# KiCad board Womo.kicad_pcb (continued)
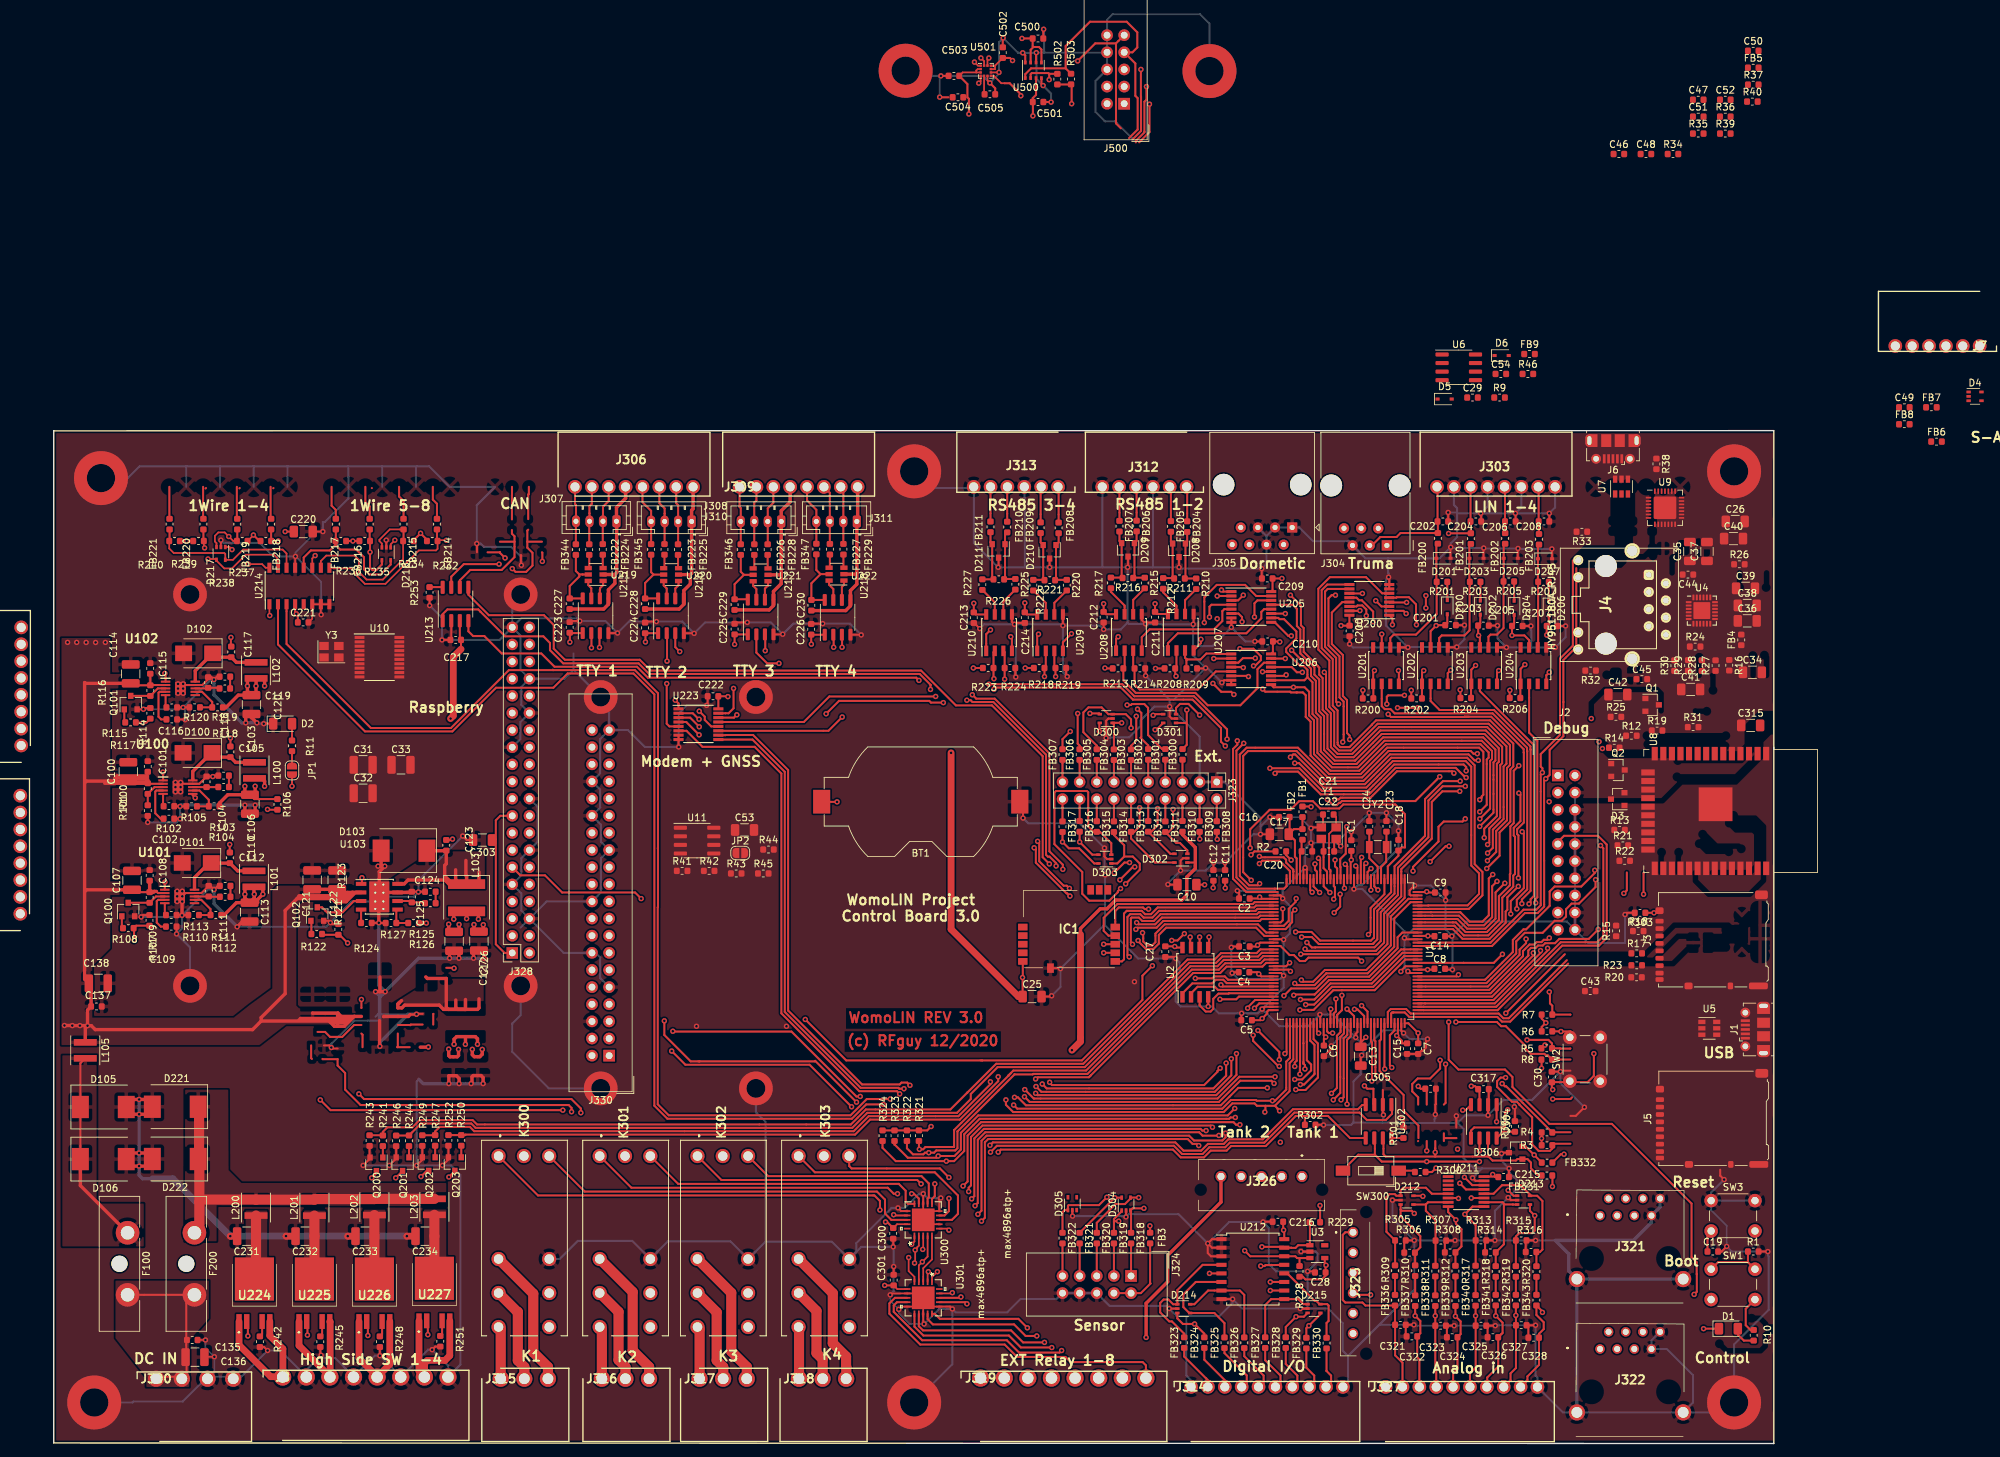
[diagram p0: board, top side]
## Routing (per net, layer and track width the routed paths; a pad name or vN(x,y) marks a point on that pad's centre or on a via; arc(x,y) is an arc through that point) (continued)
IO_INT: length 116.6
  Top w0.3: v3(178.86,26.3) 179.42,26.3 179.56,26.44 180.53,26.44 ; v3(165.67,74.55) 166.53,74.55 v3(167.54,75.57) ; 180.53,26.44 U212.13 ; 180.53,26.44 180.41,26.48 ; v3(184.79,72.52) 196.13,72.52 197.64,74.03 197.64,78.33 200.18,80.88 200.18,83.68
  In1.Cu w0.3: v3(165.67,74.55) 165.15,74.04 165.15,69.09 171.12,63.12 171.12,56.45 170.74,56.07 170.74,48.17 168.73,46.16 168.73,45.57 165.51,42.35 165.51,28.14 167.35,26.3 v3(178.86,26.3) ; v3(184.79,72.52) 184.16,73.14 181.98,73.14 181.48,72.64 181.48,72.52 181.1,72.14 172.98,72.14 172.09,73.03 172.09,75.28 171.55,75.82 167.79,75.82 v3(167.54,75.57)
JTAG_RES: length 40.2
  Top w0.3: 207.54,76.73 207.57,76.73 ; 207.54,76.73 202.13,76.73 ; 207.54,76.73 208.96,75.3 212.57,75.3 214.65,77.38 214.65,80.9 216.28,82.53 216.28,84.16 216.54,84.42 216.54,89.79 216.54,89.8 216.54,89.91 216.35,90.11 216.35,91.25 217.35,92.25 217.35,96.14 v3(217.1,96.39)
  In1.Cu w0.3: v3(217.1,96.39) 222.81,96.39 J2.3
JTAG_TCK: length 54.7
  Top w0.3: 202.13,64.23 202.94,64.23 202.95,64.22 213.95,64.22 223.52,73.79 228.98,73.79 230.12,74.93 230.12,88.77 228.84,90.06 223.79,90.06 222.89,89.15 J2.9
JTAG_TDI: length 58.2
  Top w0.3: 202.13,64.73 203,64.73 203.01,64.73 213.75,64.73 223.31,74.29 228.72,74.29 229.62,75.19 229.62,88.21 v3(229.21,88.62)
  In1.Cu w0.3: v3(229.21,88.62) 229.21,94.13 228.22,95.12 226.03,95.12 226.01,95.14 224.1,95.14 J2.5
JTAG_TDO: length 27.1
  Top w0.3: 202.13,76.23 207.33,76.23 208.76,74.8 212.78,74.8 215.15,77.17 215.15,78.85 215.4,79.1 215.4,80.94 v3(217.03,82.57)
  In1.Cu w0.3: v3(217.03,82.57) 218.23,83.77 J2.13
JTAG_TMS: length 65.2
  Top w0.3: v3(217.6,90.68) 217.85,90.43 217.85,82.33 215.9,80.38 v3(215.9,78.49) ; v3(198.28,55.72) 197.99,56 197.99,60.52 198.68,61.21 198.68,62.28
  In1.Cu w0.3: J2.7 218.31,91.39 v3(217.6,90.68) ; v3(215.9,78.49) 215.42,78.01 215.42,65.15 214.42,64.15 214.42,56.05 213.84,55.47 199.09,55.47 198.84,55.72 v3(198.28,55.72)
K1_COM: length 14.3
  Top w1.5: K300.11 68.73,19.49 68.77,19.49 68.77,12.31 69.74,11.34 69.74,9.64
K1_NC: length 20.7
  Top w1.5: K300.12 71.06,22.2 71.06,13.52 73.24,11.34 73.24,9.64
K1_NO: length 7.8
  Top w1.5: 66.24,9.64 66.24,16.95 K300.14
K1_RESET: length 65
  Top w0.3: K300.A1 71.76,36.77 121.6,36.77 122.43,35.94 v3(122.43,34.61) ; U300.17 124.57,33.8 v3(124.46,33.91)
  In1.Cu w0.3: v3(122.43,34.61) 123.76,34.61 v3(124.46,33.91)
K1_SET: length 58.2
  Top w0.3: U300.18 124.11,33.15 123.18,34.08 123.18,36.14 121.98,37.34 78.68,37.34 K300.A2
K1_STATUS: length 134
  Top w0.3: 141.46,54.5 141.87,54.91 ; 141.46,54.5 133.42,46.46 133.42,43.97 133.39,43.94 130.9,43.94 130.9,43.93 129.17,43.93 128.84,43.6 v3(128.27,43.6) 128.21,43.67 R321.1 ; 141.46,54.5 141.46,54.54 142.2,55.28 152.98,55.28 168.43,70.73 172.44,70.73 173.39,71.68 178.66,71.68 179.22,72.23 180.73,72.23
  In1.Cu w0.3: K300.21 74.9,22.3 77.28,24.68 77.28,29.21 78.11,30.04 91.75,30.04 93.08,31.37 107.05,31.37 109.77,34.08 117.05,34.08 126.57,43.6 v3(128.27,43.6)
K2_COM: length 14.2
  Top w1.5: K301.11 83.69,19.51 83.69,12.37 84.72,11.34 84.72,9.64
K2_NC: length 20.7
  Top w1.5: K301.12 85.79,22.46 85.79,13.77 88.22,11.34 88.22,9.64
K2_NO: length 7.8
  Top w1.5: K301.14 81.22,16.95 81.22,9.64
K2_RESET: length 50.7
  Top w0.3: v3(127.13,37.02) 127.48,37.02 128.19,36.3 U300.14 ; v3(125.03,37.02) 124.47,37.02 123.58,37.91 85.6,37.91 K301.A1
  In1.Cu w0.3: v3(127.13,37.02) v3(125.03,37.02)
K2_SET: length 43
  Top w0.3: K301.A2 92.53,38.48 125.22,38.48 126.24,37.47 126.24,35.88 126.59,35.52 U300.15
K2_STATUS: length 121.2
  Top w0.3: 142.37,54.7 142.37,54.74 ; 142.37,54.7 133.92,46.25 133.92,43.76 133.59,43.43 130.78,43.43 130.45,43.1 v3(129.67,43.1) 129.1,43.1 128.85,42.85 127.33,42.85 126.43,43.75 R322.1 ; 142.37,54.7 145.06,54.7 145.14,54.78 153.19,54.78 168.64,70.23 172.65,70.23 173.59,71.18 178.87,71.18 179.43,71.73 180.73,71.73
  In1.Cu w0.3: v3(129.67,43.1) 129.42,42.85 126.53,42.85 117.26,33.58 109.98,33.58 107.25,30.86 93.28,30.86 92.14,29.72 92.14,26.04 K301.21
K3_COM: length 14.2
  Top w1.5: K302.11 98.24,19.46 98.24,12.31 99.21,11.34 99.21,9.64
K3_NC: length 20.7
  Top w1.5: 102.71,9.64 102.71,11.34 100.4,13.65 100.4,22.34 K302.12
K3_NO: length 7.8
  Top w1.5: 95.71,9.64 95.71,16.95 K302.14
K3_RESET: length 40
  Top w0.3: v3(128.52,38.48) 127.95,39.05 98.94,39.05 K302.A1 ; v3(130.56,38.48) 130.56,36.66 130.14,36.25 U300.11
  In1.Cu w0.3: v3(128.52,38.48) v3(130.56,38.48)
K3_SET: length 31.6
  Top w0.3: K302.A2 105.87,39.62 128.59,39.62 129.67,38.54 129.67,36.48 129.49,36.3 U300.12
K3_STATUS: length 122.1
  Top w0.3: v3(175.01,49.66) 173.98,48.63 137,48.63 134.42,46.04 134.42,43.56 133.47,42.61 v3(131.06,42.61) 130.81,42.35 126.56,42.35 124.65,44.26 124.62,44.26 124.59,44.29 R323.1 ; 189.68,62.28 189.68,63.73 189.99,64.04 v3(189.99,65.89)
  In1.Cu w0.3: v3(131.06,42.61) 130.81,42.35 126.74,42.35 117.47,33.08 110.24,33.08 106.36,29.21 106.36,25.78 K302.21 ; v3(189.99,65.89) 188.12,65.89 184.67,62.44 184.67,61.84 175.65,52.82 175.65,50.3 v3(175.01,49.66)
K4_COM: length 14.1
  Top w1.5: 113.94,9.64 113.94,12.49 113.03,13.4 113.03,19.65 K303.11
K4_NC: length 20.6
  Top w1.5: K303.12 115.44,22.28 115.44,14.86 117.41,12.89 117.41,11.37 117.44,11.34 117.44,9.64
K4_NO: length 7.6
  Top w1.5: 110.44,9.64 110.44,17.2 K303.14
K4_RESET: length 31.9
  Top w0.3: K303.A1 112.78,40.2 130.56,40.2 133.99,36.77 133.99,34.04 133.1,33.15 U300.8
K4_SET: length 23.6
  Top w0.3: v3(132.65,36.32) 132.65,34.45 132,33.8 U300.9 ; v3(132.65,39.43) 131.32,40.77 118.23,40.77 117.88,41.12 K303.A2
  In1.Cu w0.3: v3(132.65,39.43) v3(132.65,36.32)
K4_STATUS: length 118.8
  Top w0.3: 190.18,62.28 190.18,63.52 190.88,64.22 v3(190.88,66.42) ; R324.1 122.81,43.81 124.78,41.85 v3(132.27,41.85) 133.41,41.85 134.92,43.35 134.92,45.84 137.21,48.13 174.18,48.13 174.38,48.32 v3(175.1,48.32)
  In1.Cu w0.3: v3(190.88,66.42) 190.66,66.64 188.16,66.64 184.17,62.65 184.17,62.04 175.15,53.03 175.15,50.93 173.99,49.77 173.99,49.43 v3(175.1,48.32) ; K303.21 119.28,23.7 119.28,23.71 120.65,25.08 120.65,35.56 126.94,41.85 v3(132.27,41.85)
LIN1: length 17.4
  Top w0.3: 195.2,132.97 196.58,134.35 198.98,134.35 199.57,134.94 FB200.1 205.11,136.6 205.06,136.65 205.06,141.53 204.98,141.6
LIN2: length 37.6
  Top w0.3: v3(206.69,134.87) 206.72,134.9 FB201.1 210,136.6 C204.1 209.94,141.57 209.98,141.6
  In1.Cu w0.3: 182.25,133.22 185.17,133.22 189.74,137.79 203.77,137.79 v3(206.69,134.87)
LIN3: length 6.7
  Top w0.3: 214.98,141.6 215.05,141.53 C206.1 215.08,136.63 FB202.1
LIN4: length 6.9
  Top w0.3: FB203.1 220.09,136.6 C208.1 220.04,141.54 219.98,141.6
LIN_SEL_A0: length 97.1
  Top w0.3: v3(190.39,109.6) 190.05,109.95 190.03,109.95 190.03,116.44 188.39,118.08 188.39,126.27 188.78,126.66 U200.10 ; v3(197.74,108.08) 198.14,107.68 209.02,107.68 209.06,107.71 ; 209.06,107.71 213.01,107.71 217.82,102.9 217.82,102.4 217.85,102.38 217.85,92.04 216.85,91.04 216.85,90.32 217.04,90.12 v3(217.04,83.82) ; 209.06,107.71 209.7,107.71 ; 208.9,71.23 208.92,71.25 ; 208.9,71.23 202.13,71.23 ; 208.9,71.23 213.39,71.23 v3(214.67,72.52)
  In1.Cu w0.3: v3(214.67,72.52) 214.67,78.78 216.15,80.26 216.15,82.93 v3(217.04,83.82) ; v3(197.74,108.08) 195.18,108.08 194.04,109.21 190.78,109.21 v3(190.39,109.6)
LIN_SEL_A1: length 142
  Top w0.3: 184.68,62.28 184.68,56.69 184.68,55.89 184.66,55.87 v3(184.66,54.74) ; U200.9 188.72,127.31 187.89,126.48 187.89,117.87 189.53,116.23 189.53,109.36 190.25,108.64 190.25,103.89 190.26,103.87 190.26,103.6 190.65,103.21 192.01,103.21 195.33,106.53 195.33,106.55 195.95,107.18 212.83,107.18 216.28,103.73 216.28,100.35 215.85,99.91 215.85,92.16 214.25,90.56 214.25,87.12 v3(212.35,85.22)
  In1.Cu w0.3: v3(184.66,54.74) 194.95,54.74 196.68,56.47 198.64,56.47 198.67,56.44 203.96,56.44 205.23,57.7 212.01,57.7 212.92,58.62 212.92,82.68 212.35,83.26 v3(212.35,85.22)
LIN_SEL_EN: length 148.1
  Top w0.3: 185.18,62.28 185.18,59.31 185.18,56.3 185.41,56.07 v3(185.41,55.51) ; v3(212.45,86.38) 213.75,87.68 213.75,90.77 215.35,92.37 215.35,100.12 215.78,100.56 215.78,103.52 212.63,106.68 196.18,106.68 192.22,102.71 190.44,102.71 189.75,103.41 189.75,108.43 189.03,109.15 189.03,116.03 187.39,117.67 187.39,126.68 189.1,128.4 194.46,128.4 196.85,126.01 U200.6
  In1.Cu w0.3: v3(212.45,86.38) 211.88,86.38 211.59,86.09 211.59,83.3 212.42,82.47 212.42,59.13 211.49,58.2 205.02,58.2 203.79,56.97 196.47,56.97 194.74,55.24 185.68,55.24 v3(185.41,55.51)
LPUART_RTS_DE_RS485: length 134.1
  Top w0.3: U206.3 175.54,115.72 176.21,116.4 v3(178.06,116.4) ; v3(183.44,117.57) 185.29,115.71 185.44,115.71 186.31,114.84 186.31,113.74 187.03,113.03 187.03,108.32 187.75,107.6 187.75,102.58 189.61,100.71 193.05,100.71 196.99,104.66 211.82,104.66 213.63,102.84 213.63,101.23 213.35,100.95 213.35,93.49 v3(211.3,91.45) ; 182.68,62.28 182.68,58.03 v3(182.43,57.78)
  In1.Cu w0.3: v3(178.06,116.4) 178.45,116.8 181.63,116.8 182.4,117.57 v3(183.44,117.57) ; v3(211.3,91.45) 211.3,90.23 211.2,90.13 211.2,89.59 209.59,87.99 209.59,82.47 210.42,81.64 210.42,61.2 209.43,60.2 205.36,60.2 204.87,60.69 203.15,60.69 201.43,58.97 195.64,58.97 194.95,58.28 193.44,58.28 192.4,57.24 186.91,57.24 186.38,57.76 183.03,57.76 183.01,57.78 v3(182.43,57.78)
LPUART_RX_RS485: length 143.8
  Top w0.3: v3(181.61,56.9) 181.61,58.04 v3(178.44,61.21) ; v3(177.93,64.52) 178.64,65.23 180.73,65.23 ; U205.13 183.6,124.31 184.21,123.7 184.21,121.16 184.72,120.65 184.72,117.09 185.61,116.21 185.64,116.21 186.81,115.04 186.81,113.95 187.53,113.23 187.53,108.53 188.25,107.81 188.25,102.79 189.82,101.21 192.84,101.21 196.78,105.16 212.03,105.16 214.13,103.05 214.13,101.03 213.85,100.74 213.85,92.99 211.98,91.12 v3(211.98,89.79)
  In1.Cu w0.3: v3(178.44,61.21) 177.93,61.72 v3(177.93,64.52) ; v3(181.61,56.9) 182.66,56.9 183.02,57.26 186.18,57.26 186.7,56.74 194.12,56.74 195.85,58.47 203.16,58.47 204.4,59.7 210.13,59.7 210.92,60.5 210.92,81.85 210.09,82.68 210.09,87.78 211.98,89.66 v3(211.98,89.79)
LPUART_TX_RS485: length 155.4
  Top w0.3: v3(212.47,88.77) 212.73,89.03 212.73,91.16 214.35,92.78 214.35,100.54 214.63,100.82 214.63,103.26 212.21,105.68 196.6,105.68 192.63,101.71 190.03,101.71 188.75,102.99 188.75,108.02 188.03,108.74 188.03,113.44 187.53,113.94 187.53,114.99 187.33,115.19 187.33,115.23 185.26,117.3 185.22,117.3 185.22,120.86 184.81,121.26 184.81,124.18 v3(183.26,125.73) ; v3(177.73,60.51) 177.73,59.67 181.5,55.9 v3(181.61,55.9) ; U205.3 175.51,124.96 v3(176.28,125.73) ; v3(176.91,64.52) 176.91,64.61 178.03,65.73 180.73,65.73
  In1.Cu w0.3: v3(177.73,60.51) 176.91,61.32 v3(176.91,64.52) ; v3(212.47,88.77) 212.07,88.37 211.82,88.37 210.59,87.15 210.59,82.89 211.42,82.06 211.42,60.29 210.34,59.2 204.61,59.2 203.37,57.97 196.06,57.97 194.32,56.24 186.49,56.24 185.97,56.76 183.64,56.76 182.77,55.9 v3(181.61,55.9) ; v3(176.28,125.73) v3(183.26,125.73)
P0: length 20
  Top w0.3: FB323.2 167.51,16.27 165.69,18.1 165.29,18.1 163.96,19.43 163.96,20.83 164.47,21.34 165.17,21.34 165.87,20.64 D214.1 166.5,22.73 170.24,26.48 U212.4
P1: length 16.5
  Top w0.3: U212.5 v3(171.26,25.21) ; D214.3 166.5,18.54 167.32,17.72 v3(169.06,17.72) 170.5,16.27 FB324.2
  In1.Cu w0.3: v3(169.06,17.72) 169.06,17.73 171.26,19.94 v3(171.26,25.21)
P2: length 17.5
  Top w0.3: FB325.2 173.48,17.84 171.99,19.34 D214.4 168.27,19.34 167.39,20.22 167.39,22.1 169.23,23.94 U212.6
P3: length 15.4
  Top w0.3: FB326.2 176.42,22.02 175.77,22.67 U212.7 171.06,22.67 169.02,20.64 D214.5
P4: length 11.7
  Top w0.3: FB327.2 179.52,20.51 180.4,21.4 U212.9 184.43,21.4 185.18,20.65 D215.1
P5: length 13.1
  Top w0.3: v3(180.28,22.67) U212.10 ; D215.3 185.25,18.8 v3(184.09,18.8) 182.56,17.27 FB328.2
  In1.Cu w0.3: v3(184.09,18.8) 180.28,22.61 v3(180.28,22.67)
P6: length 18.6
  Top w0.3: v3(180.28,23.94) U212.11 ; D215.4 187.7,19.17 v3(185.99,17.46) 185.61,17.08 FB329.2
  In1.Cu w0.3: v3(180.28,23.94) 179.2,23.94 178.94,23.69 178.94,22.16 183.64,17.46 v3(185.99,17.46)
P7: length 13.5
  Top w0.3: U212.12 182.79,25.21 186.85,21.15 187.08,21.15 187.58,20.65 D215.5 188.71,20.65 188.91,20.45 188.91,18.16 188.61,17.86 FB330.2
PF0: length 63.8
  Top w0.3: 195.68,83.68 195.68,82.57 v3(196.22,82.04) ; v3(167.89,108.71) 167.89,106.68 ; 167.89,106.68 167.89,103.56 FB300.2 ; 167.89,106.68 167.78,106.79 D301.1
  In1.Cu w0.3: v3(167.89,108.71) 193.84,108.71 196.72,105.83 196.72,100.2 ; v3(196.22,82.04) 196.74,82.56 196.74,95.9 196.72,95.91 196.72,100.2 ; 196.72,100.2 196.72,100.46
PF1: length 81.3
  Top w0.3: FB301.2 164.25,102.92 162.16,105 162.16,109.03 161.61,109.59 159.76,109.59 159.62,109.45 v3(159.05,109.45) ; v3(169.8,107.96) 168.15,109.61 166.89,109.61 166.31,109.03 D301.3 ; v3(195.18,82.02) 195.18,82.03 195.18,83.68
  In1.Cu w0.3: 196.22,99.96 196.22,83.63 195.18,82.59 v3(195.18,82.02) ; 196.22,99.96 196.22,100.25 ; 196.22,99.96 196.22,105.62 193.63,108.21 170.05,108.21 v3(169.8,107.96) 165.5,107.96 163.88,109.59 159.76,109.59 159.62,109.45 v3(159.05,109.45)
PF2: length 67.3
  Top w0.3: v3(195.2,85.22) 194.68,84.7 194.68,83.68 ; v3(160.6,108.84) 161.16,108.28 161.16,104.71 161.05,104.59 162.18,103.46 FB302.2 ; 164.4,108.09 163.08,108.09 v3(162.91,107.92)
  In1.Cu w0.3: v3(160.6,108.84) 162,108.84 v3(162.91,107.92) 163.62,107.21 171.09,107.21 171.59,107.71 193.41,107.71 195.58,105.54 195.6,105.54 195.72,105.41 195.72,85.74 v3(195.2,85.22)
PF3: length 66.7
  Top w0.3: 164.4,106.79 163.4,105.79 v3(163.2,105.79) ; v3(160.41,107.78) 160.41,104.18 159.64,103.41 FB303.2 ; v3(194.44,85.98) 194.18,85.72 194.18,83.68
  In1.Cu w0.3: v3(160.41,107.78) 160.81,107.38 161.6,107.38 v3(163.2,105.79) 164.12,106.71 171.3,106.71 171.8,107.21 193.14,107.21 195.22,105.13 195.22,95.15 194.2,94.12 194.2,92.83 195.2,91.82 195.2,88.54 195.22,88.52 195.22,86.76 v3(194.44,85.98)
PF4: length 66.5
  Top w0.3: FB304.2 157.1,106.6 D300.1 156.92,106.81 v3(158.24,106.81) ; 193.68,83.68 193.68,86.75 v3(193.8,86.87)
  In1.Cu w0.3: v3(158.24,106.81) 160.91,106.81 162.68,105.04 163.56,105.04 164.73,106.21 171.51,106.21 172.01,106.71 192.88,106.71 194.72,104.87 194.72,95.35 193.7,94.33 193.7,92.62 194.7,91.61 194.7,87.76 v3(193.8,86.87)
PF5: length 74.9
  Top w0.3: v3(159.64,106.06) 159.64,107.31 158.86,108.09 D300.3 156.28,108.09 155.28,109.1 153.33,109.1 152.57,108.34 152.57,105.42 154.56,103.43 FB305.2 ; v3(192.93,85.6) 193.18,85.35 193.18,83.68
  In1.Cu w0.3: v3(192.93,85.6) 192.93,86.03 193.05,86.15 193.05,87.23 194.2,88.37 194.2,91.41 193.2,92.41 193.2,94.53 194.22,95.56 194.22,104.66 192.67,106.21 172.22,106.21 171.72,105.71 164.93,105.71 163.76,104.54 162.47,104.54 160.7,106.31 159.89,106.31 v3(159.64,106.06)
PF6: length 74.9
  Top w0.3: 191.68,83.68 191.68,85.54 v3(191.38,85.84) ; v3(153.54,108.2) 154.89,108.2 D300.4 ; v3(151.73,108.19) 151.73,103.72 152.02,103.43 FB306.2
  In1.Cu w0.3: 192.7,93.51 192.7,92.2 193.7,91.2 193.7,89.02 191.38,86.7 v3(191.38,85.84) ; 192.7,93.51 192.7,93.69 ; 192.7,93.51 192.7,94.74 193.72,95.77 193.72,104.46 192.47,105.71 172.42,105.71 171.92,105.21 165.14,105.21 163.97,104.04 162.26,104.04 161,105.31 158.63,105.31 156.97,106.97 156.97,107.19 155.96,108.2 v3(153.54,108.2) 153.53,108.19 v3(151.73,108.19)
PF7: length 74.7
  Top w0.3: FB307.2 149.48,104.38 v3(150.63,105.53) ; v3(191.26,82.3) 191.18,82.38 191.18,83.68 ; D300.5 154.94,106.73 v3(154.94,105.54)
  In1.Cu w0.3: 186.75,105.21 192.22,105.21 193.22,104.21 193.22,95.98 192.2,94.95 192.2,92 193.2,90.99 193.2,89.23 190.63,86.66 190.63,85.48 191.26,84.85 v3(191.26,82.3) ; 186.75,105.21 172.63,105.21 172.13,104.71 166.71,104.71 165.53,103.54 162.05,103.54 160.79,104.81 158.43,104.81 157.7,105.54 v3(154.94,105.54) 154.94,105.53 v3(150.63,105.53) ; 186.75,105.21 187.02,105.21
PF8: length 53.6
  Top w0.3: 190.68,83.68 190.68,85.43 190.63,85.48 190.63,86.61 191.45,87.43 191.45,91.27 v3(191.61,91.42) ; v3(165.86,93.98) 165.86,91.29 165.19,90.63 164.72,90.63 166.34,89.01 166.88,89.01 167.98,87.9 D302.3
  In1.Cu w0.3: v3(165.86,93.98) 166.37,93.47 168.15,93.47 168.46,93.78 168.46,95.94 169.22,96.7 179.76,96.7 182.25,99.19 190.12,99.19 191.61,97.7 v3(191.61,91.42)
PF9: length 55
  Top w0.3: v3(163.58,94.11) 163.58,91.6 162.65,90.68 FB312.2 165.46,87.4 D302.4 ; 190.18,83.68 190.18,85.22 189.87,85.54 v3(189.87,86.49)
  In1.Cu w0.3: v3(189.87,86.49) 189.87,89 190.22,89.36 190.22,93.99 190.86,94.63 190.86,94.64 191.11,94.89 191.11,97.49 189.91,98.69 182.45,98.69 179.97,96.2 174.63,96.2 174.63,96.01 171.58,92.96 164.72,92.96 v3(163.58,94.11)
PF10: length 68.1
  Top w0.3: v3(160.91,94.23) 160.91,91.45 160.12,90.65 FB313.2 159.64,89.66 163.2,86.1 D302.5 ; v3(189.67,80.68) 189.85,80.87 189.85,82.44 189.68,82.61 189.68,83.68
  In1.Cu w0.3: v3(160.91,94.23) 161.04,94.11 162.43,94.11 164.08,92.46 171.78,92.46 175.02,95.7 180.18,95.7 182.66,98.19 189.71,98.19 190.61,97.28 190.61,95.1 189.72,94.22 189.72,89.57 189.12,88.96 189.12,86.13 189.14,86.11 189.14,82.8 188.35,82.02 188.35,81.3 188.97,80.68 v3(189.67,80.68)
PF11: length 46.3
  Top w0.3: 158.62,87 159.89,87 160.93,85.95 160.93,85.04 v3(158.84,82.94) ; 158.62,87 157.6,85.97 D303.1 ; 158.62,87 158.62,88.67 157.1,90.19 157.1,90.63 ; 180.73,75.73 179.66,75.73 178.44,76.95 164.63,76.95 163.26,75.57 163.26,74.3 162.76,73.8 162.04,73.8 161.44,74.4 161.44,75.6 v3(161.34,75.7)
  In1.Cu w0.3: v3(161.34,75.7) 160.94,75.3 160.15,75.3 159.22,76.23 159.22,82.82 158.96,82.82 v3(158.84,82.94)
PF12: length 72.6
  Top w0.3: 180.73,75.23 179.4,75.23 178.18,76.45 164.84,76.45 163.76,75.36 163.76,74.09 162.97,73.3 161.83,73.3 160.52,74.62 160.61,74.62 v3(160.68,74.55) ; v3(158.09,82.25) 157.69,81.85 157.69,81.71 156.42,80.45 153.44,80.45 152.41,81.47 152.41,84.7 148.28,88.83 148.28,96.46 148.52,96.7 153.11,96.7 153.29,96.52 153.29,91.45 154.08,90.65 FB315.2 155.04,90.65 156.71,88.98 D303.3
  In1.Cu w0.3: v3(160.68,74.55) 160.4,74.55 160.15,74.8 159.95,74.8 158.72,76.02 158.72,81.62 v3(158.09,82.25)
PWR_Reset: length 168.8
  Top w0.3: R2.1 177.93,87.76 v3(177.42,87.25) ; v3(20.97,95.69) 20.6,96.06 U100.6 ; R106.2 31.73,93.93 v3(31.67,93.98)
  In1.Cu w0.3: v3(20.97,95.69) 29.96,95.69 v3(31.67,93.98) 35.21,93.98 38.13,96.91 75.62,96.91 98.16,96.91 102.51,92.56 139.2,92.56 144.9,86.85 177.02,86.85 v3(177.42,87.25)
QSPI_CLK: length 19.8
  Top w0.3: v3(169.8,75.06) U2.6 ; v3(169.17,68.94) 171.69,68.94 171.97,69.23 173.52,69.23 174.02,68.73 180.73,68.73
  In1.Cu w0.3: v3(169.8,75.06) 169.8,69.58 v3(169.17,68.94)
QSPI_D0: length 17.5
  Top w0.3: v3(172.95,67.98) 173.2,67.73 180.73,67.73 ; v3(171.2,75.06) 171.2,73.63 U2.5 171.21,73.36
  In1.Cu w0.3: v3(172.95,67.98) 171.21,69.72 171.21,75.04 v3(171.2,75.06)
QSPI_D1: length 13.3
  Top w0.3: 180.73,67.23 172.51,67.23 172.05,67.69 169.5,67.69 168.53,66.72 U2.2
QSPI_D2: length 14.6
  Top w0.3: 180.73,66.73 174.14,66.73 174.09,66.67 172.59,66.67 171.82,65.9 171.82,64.41 171.43,64.02 170.71,64.02 169.8,64.93 U2.3
QSPI_D3: length 22
  Top w0.3: U2.7 168.4,73.63 v3(168.4,75.06) ; v3(172.81,65.83) 175.22,65.83 175.62,66.23 180.73,66.23
  In1.Cu w0.3: v3(168.4,75.06) 168.4,68.07 169.55,66.93 171.72,66.93 v3(172.81,65.83)
QSPI_NCS: length 15
  Top w0.3: 180.73,68.23 173.81,68.23 173.31,68.73 172.2,68.73 171.66,68.19 168.73,68.19 167.26,66.72 U2.1
Rasp_down: length 180.8
  Top w0.3: 202.13,70.73 200.3,70.73 199.62,70.05 v3(199.62,69.95)
  In1.Cu w0.3: 70.49,105.73 71.77,104.44 94.4,104.44 95.06,103.78 142.6,103.78 149.03,110.2 170.74,110.2 171.73,109.21 188.46,109.21 189.6,110.35 198.19,110.35 198.75,109.79 199.49,109.79 199.9,109.38 199.9,101.46 204.98,96.38 204.98,75.41 199.62,70.05 v3(199.62,69.95)
Rasp_Shutdown: length 187.7
  Top w0.3: 202.13,69.23 207.9,69.23 v3(208.15,69.48)
  In1.Cu w0.3: 67.95,105.73 69.28,107.06 84.46,107.06 86.49,105.03 94.52,105.03 95.27,104.28 142.4,104.28 148.82,110.7 170.94,110.7 171.94,109.71 188.25,109.71 189.39,110.85 198.39,110.85 198.96,110.29 199.69,110.29 200.4,109.58 200.4,102.7 203.34,99.76 203.34,98.73 205.48,96.58 205.48,73.26 208.15,70.59 v3(208.15,69.48)
RASPI_3V3: length 24.7
  Top w0.3: 65.51,89.55 65.51,92.35 66.18,93.03 J328.17 ; 65.51,89.55 65.39,89.43 C303.1 ; 65.51,89.55 65.51,74 66.8,72.71 J328.1
RASPI_RX_CTRL: length 150.1
  Top w0.3: 194.5,50.17 193.9,50.17 193.28,49.54 183.63,49.54 179.17,45.08 174.06,45.08 173.38,44.41 171.03,44.41 170.03,43.41 167.41,43.41 166.2,44.62 139.16,44.62 v3(138.73,44.2) ; v3(91.74,61.1) 91.79,61.05 109.33,61.05 118.94,51.44 v3(119.51,51.44)
  In1.Cu w0.3: v3(91.74,61.1) 91.18,61.1 90.92,61.35 76.5,61.35 74.81,63.04 74.81,76 J328.8 ; v3(119.51,51.44) 119.63,51.44 121.56,49.51 133.42,49.51 v3(138.73,44.2)
RASPI_TX_CTRL: length 158.9
  Top w0.3: v3(118.96,50.59) 112.84,56.71 112.76,56.63 95.71,56.63 ; 95.71,56.63 94.39,56.63 90.48,60.54 v3(90.48,62.64) ; 95.71,56.63 95.49,56.63 ; v3(138.81,43.18) 139.76,44.12 165.99,44.12 167.21,42.91 170.24,42.91 171.24,43.91 173.59,43.91 174.27,44.58 179.38,44.58 183.84,49.04 193.49,49.04 194.58,47.95 197.4,47.95 198.31,48.86 198.31,50.17
  In1.Cu w0.3: v3(138.81,43.18) 138.25,43.18 132.42,49.01 120.54,49.01 v3(118.96,50.59) ; v3(90.48,62.64) 89.35,63.78 76.6,63.78 75.74,64.64 75.74,77.61 J328.10
RE_RS485: length 131.4
  Top w0.3: 184.18,62.28 184.18,56.73 183.9,56.45 v3(183.9,55.88) ; v3(212.47,87.5) 213.25,88.28 213.25,90.98 214.85,92.57 214.85,100.33 215.27,100.75 215.27,103.33 212.42,106.18 196.39,106.18 192.43,102.21 190.23,102.21 189.25,103.2 189.25,108.22 188.53,108.94 188.53,113.99 188.28,114.24 v3(188.28,114.3) ; U206.13 183.44,115.07 184.21,114.3 v3(185.03,114.3)
  In1.Cu w0.3: v3(212.47,87.5) 211.91,87.5 211.09,86.69 211.09,83.09 211.92,82.26 211.92,59.9 210.72,58.7 204.81,58.7 203.58,57.47 196.27,57.47 194.53,55.74 186.29,55.74 185.76,56.26 184.28,56.26 v3(183.9,55.88) ; v3(185.03,114.3) v3(188.28,114.3)
RE_RS485_1: length 25.8
  Top w0.3: v3(177.79,115.25) 178.02,115.25 178.88,116.11 178.88,116.68 177.77,117.79 v3(175.77,117.79) ; v3(179.12,114.38) 180.34,114.38 U206.12 ; v3(166.31,113.73) 166.18,113.86 R208.2 166.37,115.06 U207.2
  In1.Cu w0.3: v3(179.12,114.38) 178.25,115.25 v3(177.79,115.25) ; v3(166.31,113.73) 171.03,113.73 171.49,114.19 171.49,115.63 170.94,116.17 170.94,116.49 172.25,117.79 v3(175.77,117.79)
RE_RS485_2: length 32.2
  Top w0.3: U206.14 179.33,115.72 178.37,114.76 178.37,111.95 175.83,109.41 171.01,109.41 169.17,111.25 160.34,111.25 158.5,113.09 R213.2 158.69,115.06 U208.2
RE_RS485_3: length 49.1
  Top w0.3: v3(182.5,116.33) 180.42,116.33 U206.15 ; U209.2 147,115.13 R218.2 v3(146.81,113.67) ; v3(174.88,111.01) 174.48,111.41 173.01,111.41 v3(171.77,112.65) 171.83,112.59
  In1.Cu w0.3: v3(146.81,113.66) 148.27,112.2 171.32,112.2 v3(171.77,112.65) ; v3(182.5,116.33) 183.38,115.45 183.38,113.27 181.18,111.07 180.49,111.07 179.99,110.57 178.53,110.57 177.85,111.26 175.13,111.26 v3(174.88,111.01)
RE_RS485_4: length 52.5
  Top w0.3: U206.11 182.48,113.77 v3(182.63,113.92) ; U210.2 139.26,117.28 R223.2 139.26,113.41 v3(139.32,113.35)
  In1.Cu w0.3: v3(139.32,113.35) 141.6,111.07 148.48,111.07 148.62,111.2 172.14,111.2 172.46,111.53 173.67,111.53 173.9,111.76 178.06,111.76 178.74,111.07 179.78,111.07 v3(182.63,113.92)
REL1: length 16.4
  Top w0.3: U301.18 134.3,21.59 v3(134.43,21.72)
  In1.Cu w0.3: 137.34,9.78 134.43,12.69 v3(134.43,21.72)
REL1_RESET: length 95.2
  Top w0.25: U300.1 127.54,29.94 v3(127.13,29.53)
  Top w0.3: v3(134.75,38.16) 135.42,38.83 135.42,45.63 137.42,47.62 174.82,47.62 175.2,47.24 v3(175.77,47.24) ; 192.68,62.28 192.68,63.36 192.03,64.01 192.02,64.01 v3(191.64,64.39)
  In1.Cu w0.3: v3(191.64,64.39) 190.89,65.14 188.07,65.14 185.17,62.23 185.17,61.63 176.15,52.61 176.15,47.62 v3(175.77,47.24) ; v3(127.13,29.53) 127.13,30.09 127.58,30.54 133.54,30.54 134.68,31.69 134.68,38.1 v3(134.75,38.16)
REL2: length 18.4
  Top w0.3: U301.17 135.08,20.94 v3(135.32,20.7)
  In1.Cu w0.3: 140.84,9.78 138.24,12.38 136.53,12.38 135.32,13.59 v3(135.32,20.7)
REL2_RESET: length 110
  Top w0.25: v3(130.94,25.46) 130.14,24.67 U301.1
  Top w0.3: v3(137.48,32.96) 137.98,33.46 137.98,44.65 138,44.65 138.47,45.12 168.04,45.12 168.76,44.41 169.42,44.41 v3(169.67,44.16) ; v3(182.29,66.37) 183.36,67.44 187.04,67.44 188.78,69.18 194.91,69.18 199.14,73.41 199.14,75.02 199.84,75.73 202.13,75.73
  In1.Cu w0.3: v3(182.29,66.37) 181.61,65.69 181.61,63.02 171.24,52.65 171.24,47.97 169.67,46.4 v3(169.67,44.16) ; v3(130.94,25.46) 130.94,27.18 131.8,28.04 134.58,28.04 137.22,30.69 137.22,32.7 v3(137.48,32.96)
REL3: length 22.4
  Top w0.3: v3(144.27,17.14) 142.94,18.48 131.31,18.48 130.57,19.22 U301.15
  In1.Cu w0.3: 144.34,9.78 144.27,9.85 v3(144.27,17.14)
REL4: length 25.1
  Top w0.3: U301.14 129.49,18.43 130.27,17.65 142.3,17.65 144.02,15.94 v3(145.67,15.94)
  In1.Cu w0.3: v3(145.67,15.94) 145.67,11.95 147.84,9.78
REL5: length 29.3
  Top w0.3: U301.12 128.19,17.38 128.81,16.76 141.86,16.76 143.64,14.99 v3(146.81,14.99)
  In1.Cu w0.3: v3(146.81,14.99) 146.81,12.95 148.02,11.75 149.38,11.75 151.34,9.78
